# Altium PCB PCB1.PcbDoc (part 1 of 15)
Units mil, origin at the board's own origin, x right, y up, seen from the top; angles counter-clockwise.
Board outline 9210.27 x 4350.4 mil, 4 copper layers (Top Layer, Layer 1, Layer 2, Bottom Layer), stack 23.756 mil thick; 1550 components, 1731 nets, 5200 pads, 1882 vias.
Unrouted connection lines stored in the file: 605.
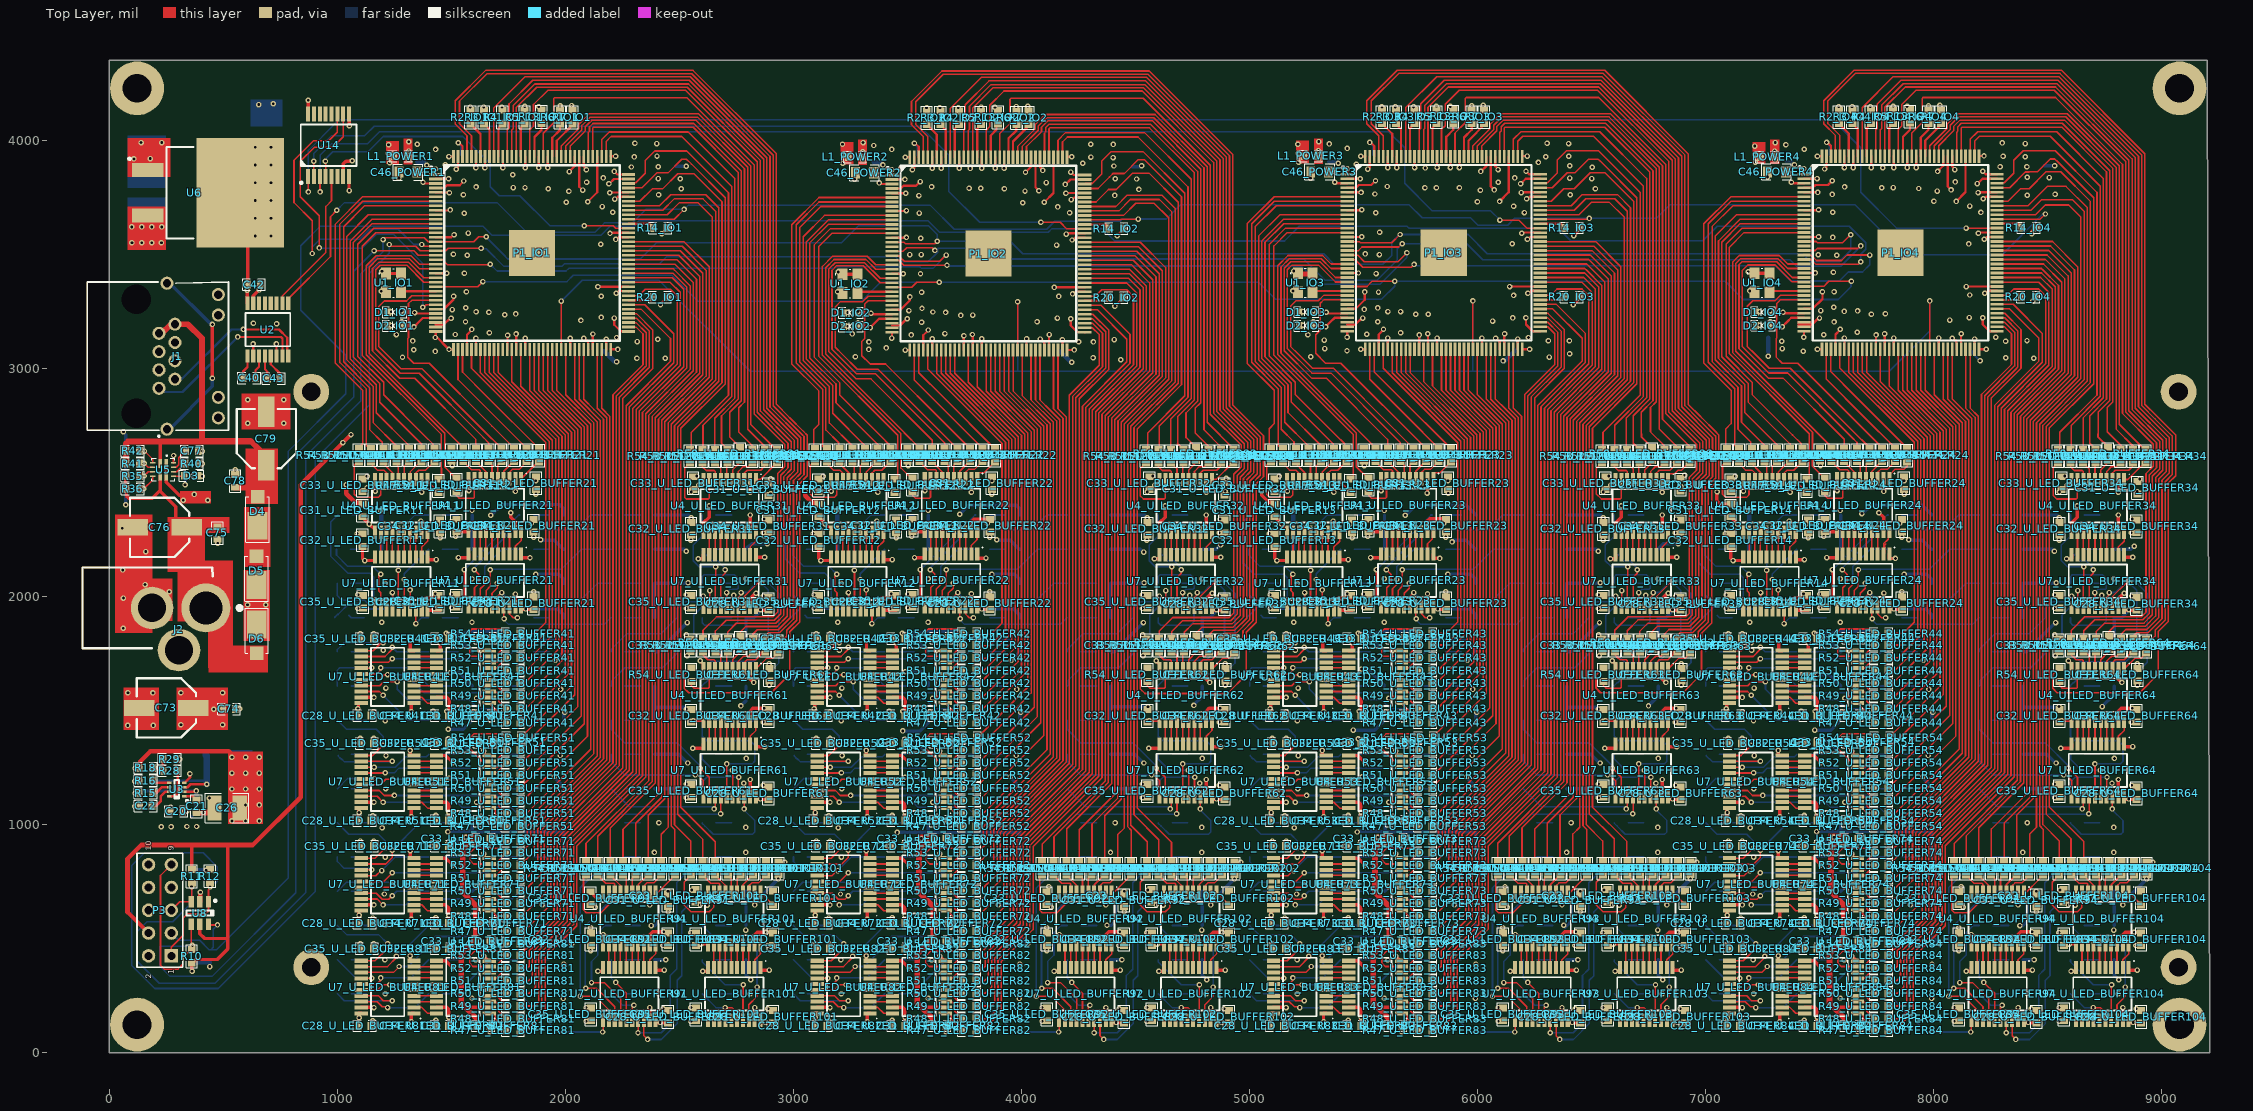
[diagram p0: Top Layer view]
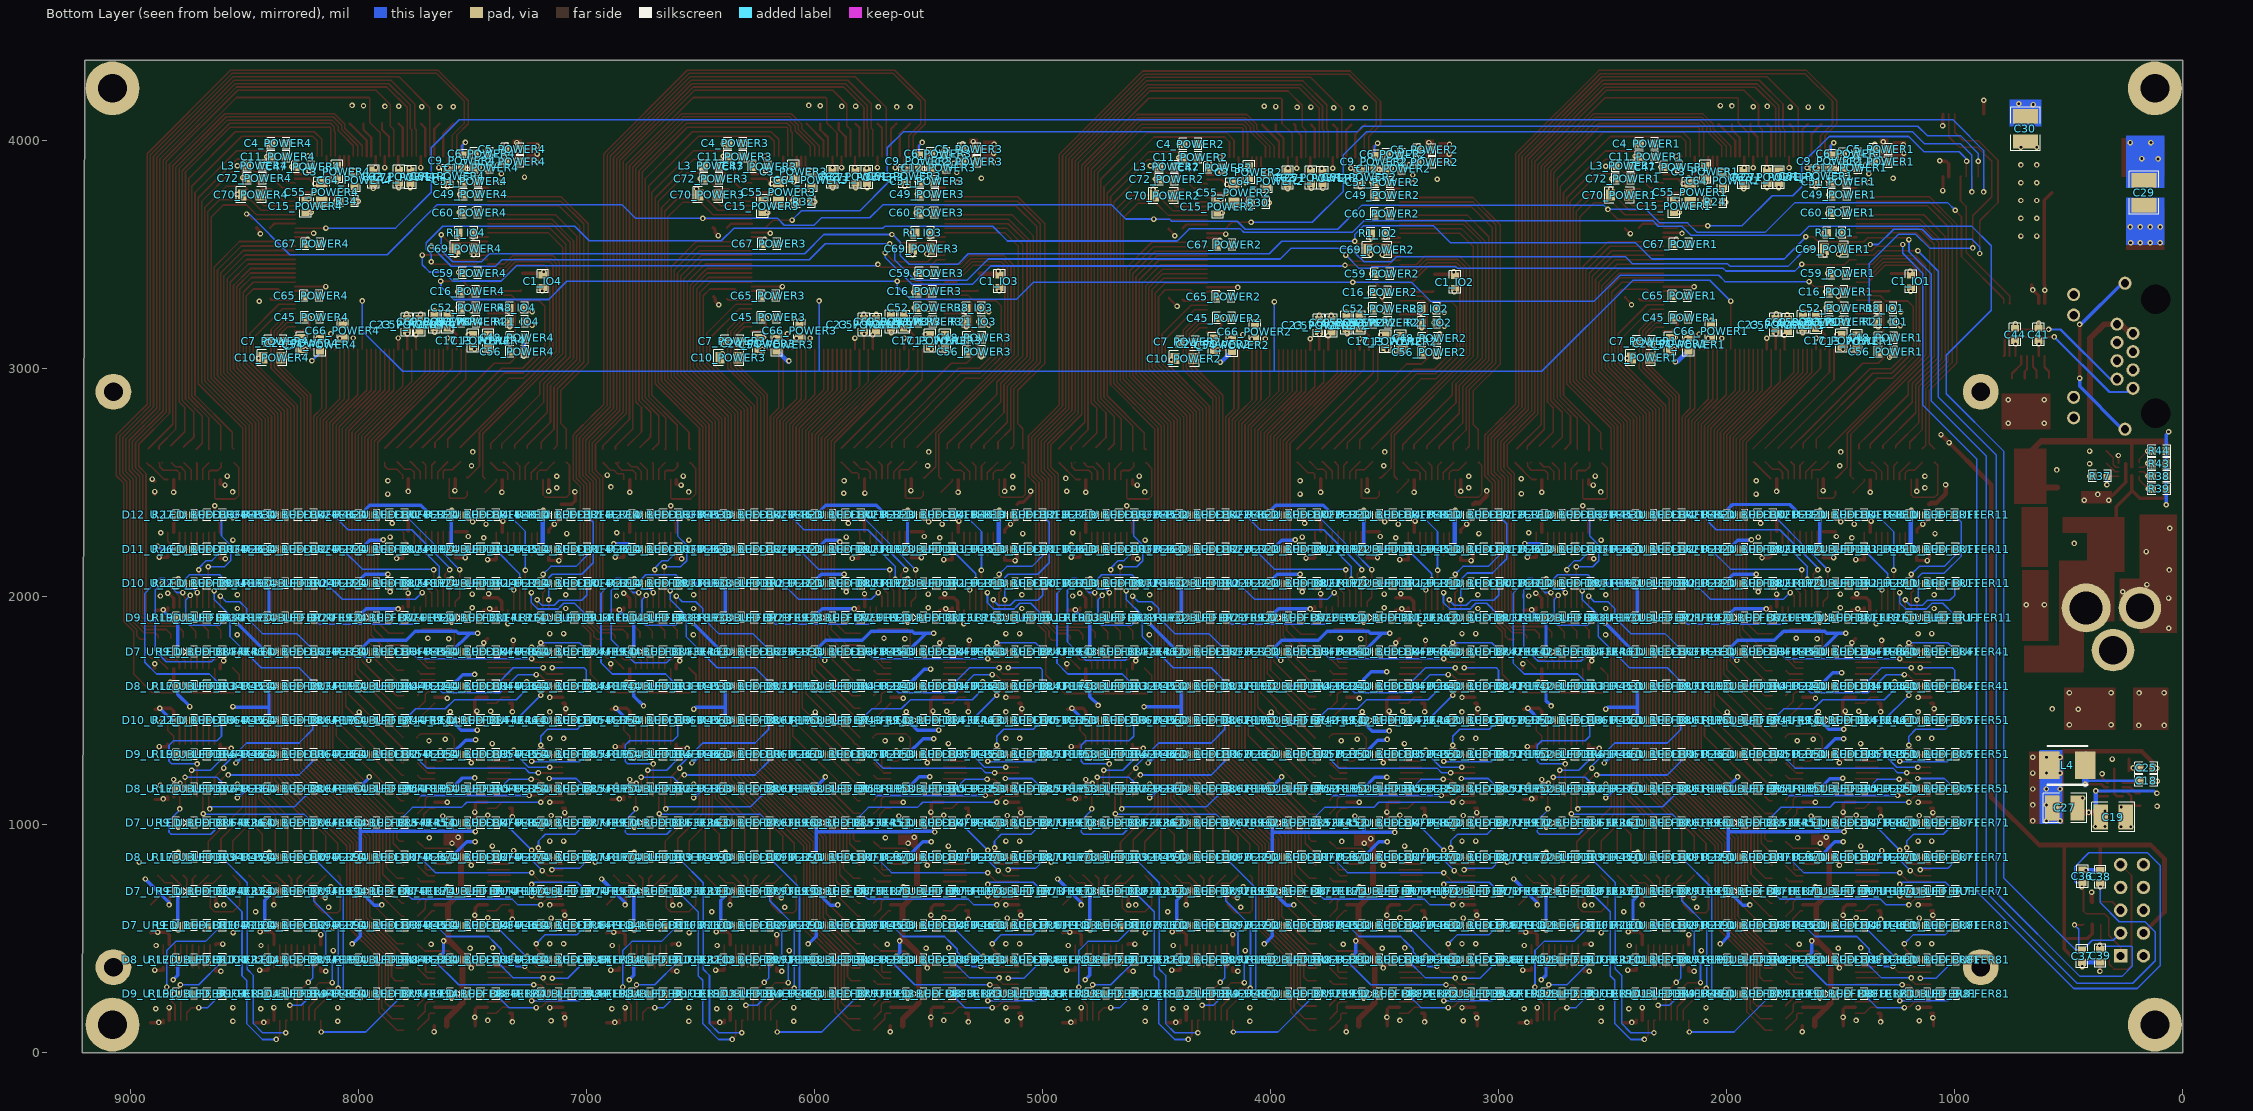
[diagram p1: Bottom Layer view, seen from below]
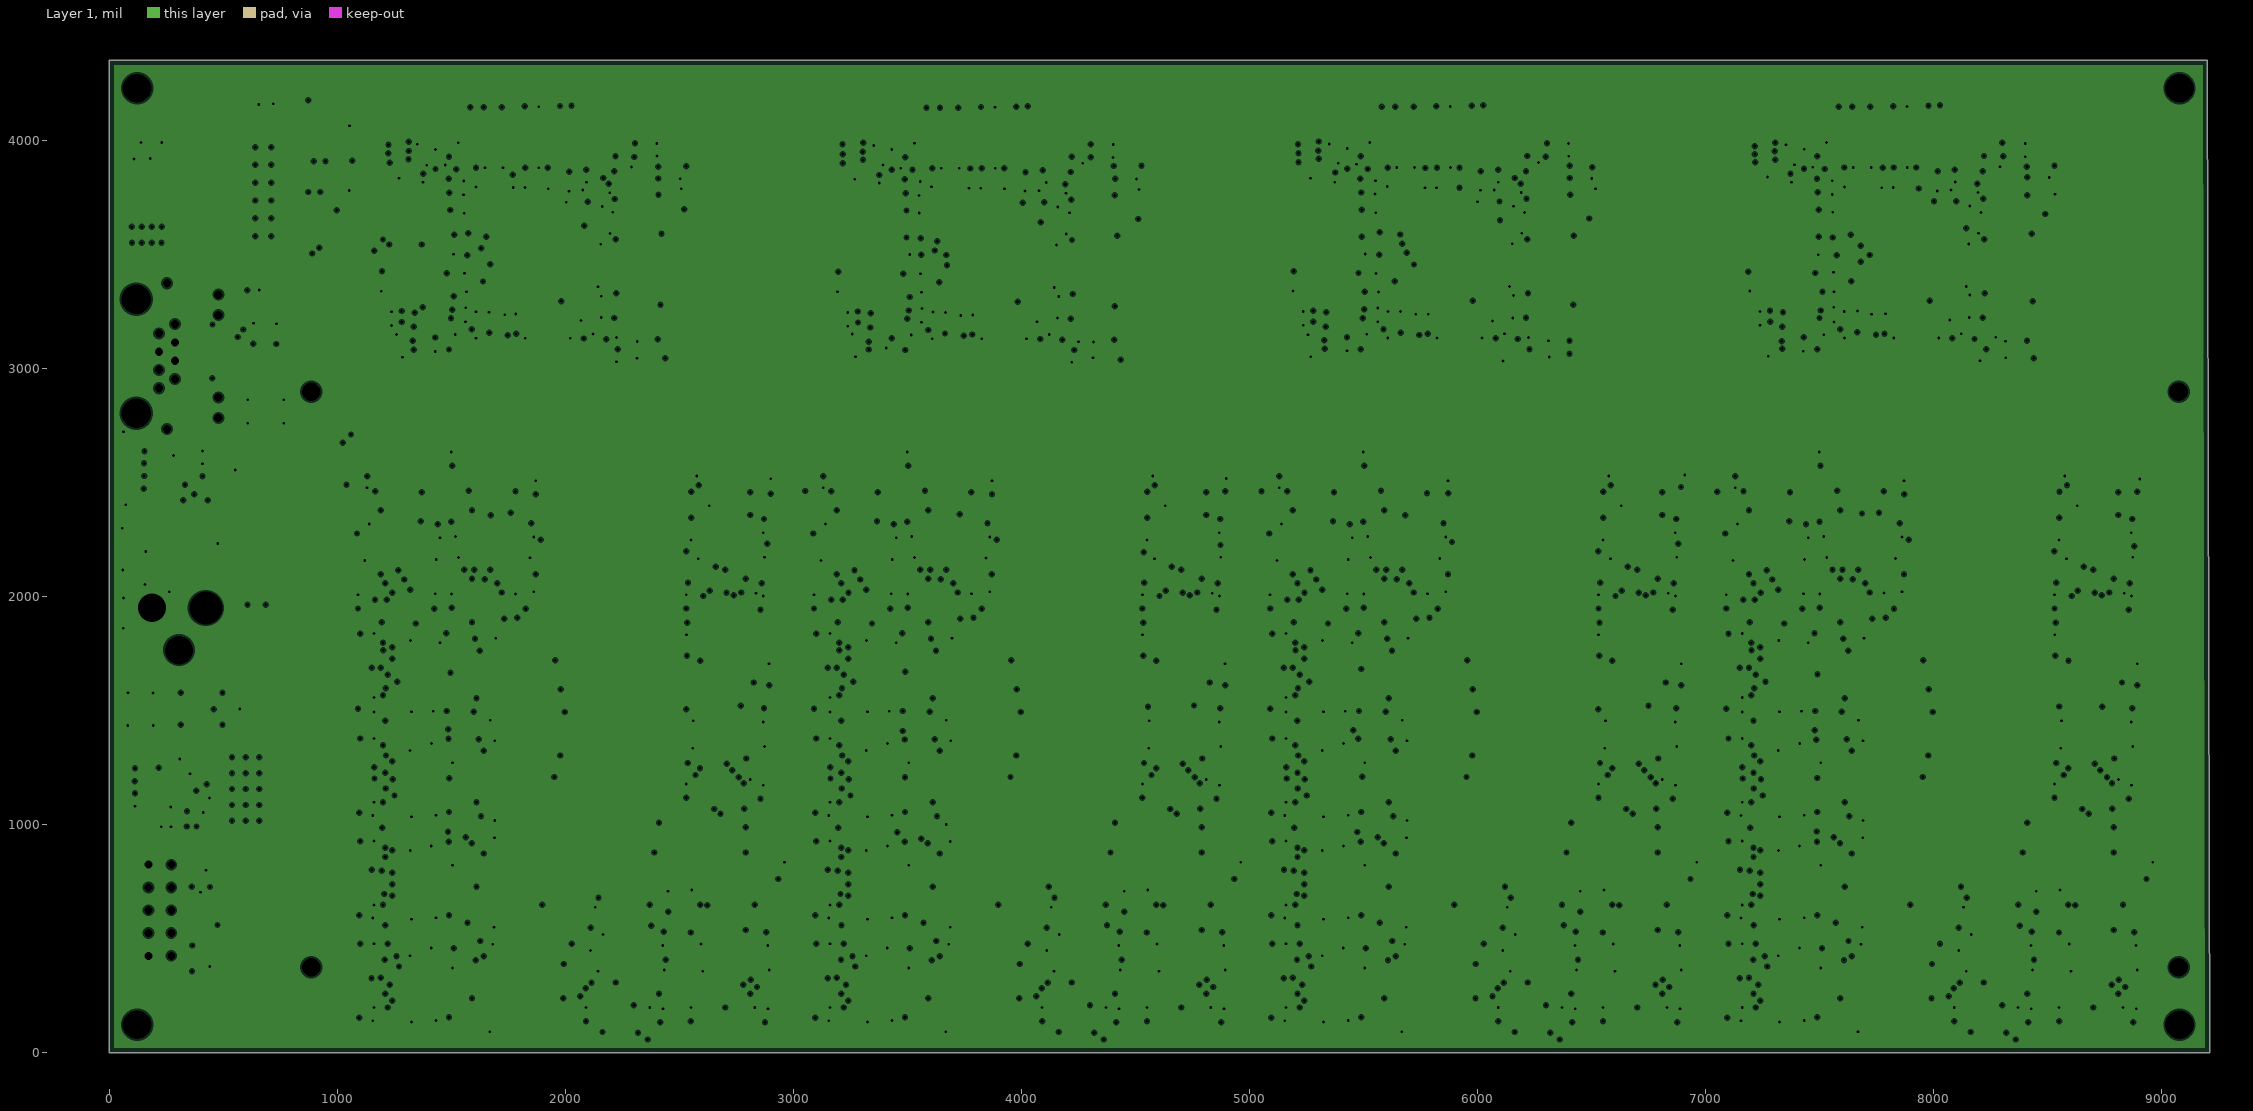
[diagram p2: Layer 1, clearances drawn from the general rule]
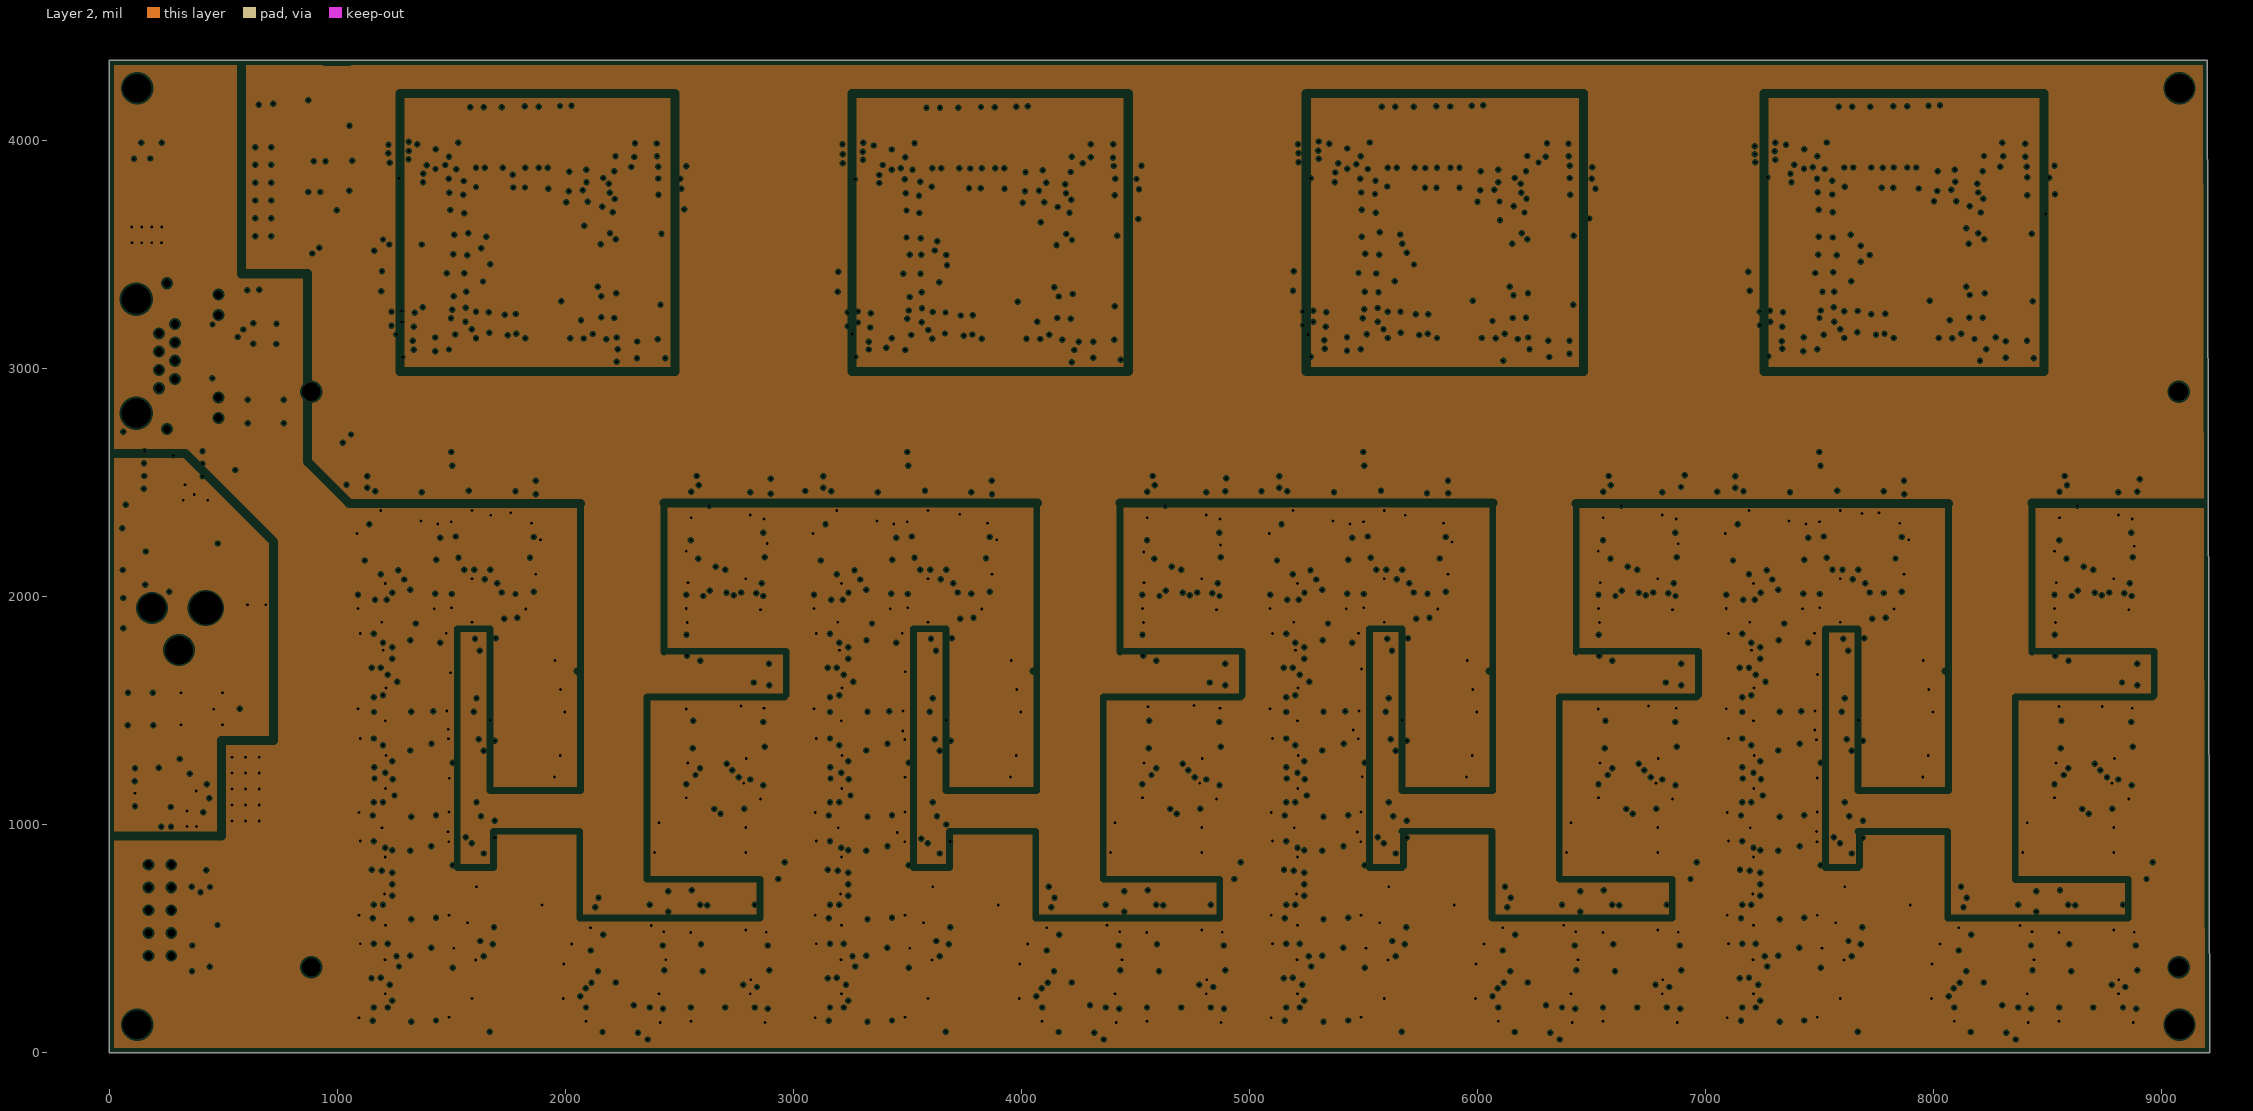
[diagram p3: Layer 2, clearances drawn from the general rule]

## Layer stack, top to bottom
Top Solder: solder mask 0.4, Solder Resist, Dk 3.5
Top Layer: signal copper 1.4
Dielectric 2: prepreg 2.8, PP-006, Dk 4.1
Layer 1: plane copper 1.378, net VCC_3V3
Dielectric 1: dielectric 12.6, FR-4, Dk 4.8
Layer 2: plane copper 1.378, net (Multiple Nets)
Dielectric 3: prepreg 2.8, PP-006, Dk 4.1
Bottom Layer: signal copper 1.4
Bottom Solder: solder mask 0.4, Solder Resist, Dk 3.5

## Board outline
0,0 9210.27,0 9200.75,4350.39 0,4350.39

## Design rules (kind name [scope] priority, off if disabled: settings)
Clearance [All] p1: gap=7 ignorepadtopadclearanceinfootprint=TRUE
ComponentClearance [All] p1: gap=0 collisioncheckmode=3 verticalgap=0 showdistances=FALSE
DiffPairsRouting [All] p1: maxlimit=10 minlimit=10 mostfreqgap=10 toplayer_minwidth=15 toplayer_maxwidth=15 toplayer_prefwidth=15 bottomlayer_minwidth=15 bottomlayer_maxwidth=15 bottomlayer_prefwidth=15 maxuncoupledlength=500
HoleSize [All] p1: absolutevalues=TRUE maxlimit=200 minlimit=1 maxpercent=80.000 minpercent=20.000
MinimumSolderMaskSliver [All] p1: minsoldermaskwidth=0
PlaneClearance [All] p1: clearance=8
PlaneConnect [All] p1: planeconnectstyle=Relief reliefexpansion=10 reliefentries=4 reliefconductorwidth=10 reliefairgap=10
PolygonConnect [All] p1: connectstyle=Relief reliefconductorwidth=10 reliefentries=4 polygonreliefangle="90 Angle" airgapwidth=10
RoomDefinition IO1 [InComponentClass('IO1')] p1: confinementstyle=ConfineIn formatcopy=TRUE lockcomponents=FALSE outline 1160.63,3047.17 2470.63,3047.17 2470.63,4157.17 1160.63,4157.17
RoomDefinition IO2 [InComponentClass('IO2')] p2: confinementstyle=ConfineIn formatcopy=TRUE lockcomponents=FALSE outline 3160.63,3047.17 4470.63,3047.17 4470.63,4157.17 3160.63,4157.17
RoomDefinition IO3 [InComponentClass('IO3')] p3: confinementstyle=ConfineIn formatcopy=TRUE lockcomponents=FALSE outline 5160.63,3047.17 6470.63,3047.17 6470.63,4167.17 5160.63,4167.17
RoomDefinition IO4 [InComponentClass('IO4')] p4: confinementstyle=ConfineIn formatcopy=TRUE lockcomponents=FALSE outline 7160.63,3047.17 8470.63,3047.17 8470.63,4167.17 7160.63,4167.17
RoomDefinition POWER1 [InComponentClass('POWER1')] p5: confinementstyle=ConfineIn formatcopy=TRUE lockcomponents=FALSE outline 1240.63,3007.17 2540.63,3007.17 2540.63,4017.17 1240.63,4017.17
RoomDefinition POWER2 [InComponentClass('POWER2')] p6: confinementstyle=ConfineIn formatcopy=TRUE lockcomponents=FALSE outline 3240.63,2997.17 4540.63,2997.17 4540.63,4017.17 3240.63,4017.17
RoomDefinition POWER3 [InComponentClass('POWER3')] p7: confinementstyle=ConfineIn formatcopy=TRUE lockcomponents=FALSE outline 5240.63,3007.17 6540.63,3007.17 6540.63,4017.17 5240.63,4017.17
RoomDefinition POWER4 [InComponentClass('POWER4')] p8: confinementstyle=ConfineIn formatcopy=TRUE lockcomponents=FALSE outline 7240.63,3007.17 8540.63,3007.17 8540.63,4017.17 7240.63,4017.17
RoomDefinition Power [InComponentClass('Power')] p9: confinementstyle=ConfineIn formatcopy=TRUE lockcomponents=FALSE outline -5259.37,-5232.83 -3259.37,-5232.83 -3259.37,-4232.83 -5259.37,-4232.83
RoomDefinition Power_ORing [InComponentClass('Power_ORing')] p10: confinementstyle=ConfineIn formatcopy=TRUE lockcomponents=FALSE outline -5259.37,-5232.83 -3259.37,-5232.83 -3259.37,-4232.83 -5259.37,-4232.83
RoomDefinition TOP_LED [InComponentClass('TOP_LED')] p11: confinementstyle=ConfineIn formatcopy=TRUE lockcomponents=FALSE outline -5259.37,-5232.83 -3259.37,-5232.83 -3259.37,-4232.83 -5259.37,-4232.83
RoomDefinition U_LED_BUFFER11 [InComponentClass('U_LED_BUFFER11')] p12: confinementstyle=ConfineIn formatcopy=FALSE lockcomponents=FALSE outline 960.63,1877.17 1620.63,1877.17 1620.63,2677.17 960.63,2677.17
RoomDefinition U_LED_BUFFER12 [InComponentClass('U_LED_BUFFER12')] p13: confinementstyle=ConfineIn formatcopy=FALSE lockcomponents=FALSE outline 2960.63,1877.17 3620.63,1877.17 3620.63,2677.17 2960.63,2677.17
RoomDefinition U_LED_BUFFER13 [InComponentClass('U_LED_BUFFER13')] p14: confinementstyle=ConfineIn formatcopy=FALSE lockcomponents=FALSE outline 4960.63,1877.17 5620.63,1877.17 5620.63,2677.17 4960.63,2677.17
RoomDefinition U_LED_BUFFER14 [InComponentClass('U_LED_BUFFER14')] p15: confinementstyle=ConfineIn formatcopy=FALSE lockcomponents=FALSE outline 6960.63,1877.17 7620.63,1877.17 7620.63,2677.17 6960.63,2677.17
RoomDefinition U_LED_BUFFER21 [InComponentClass('U_LED_BUFFER21')] p16: confinementstyle=ConfineIn formatcopy=FALSE lockcomponents=FALSE outline 1470.63,1877.17 2420.63,1877.17 2420.63,2677.17 1470.63,2677.17
RoomDefinition U_LED_BUFFER22 [InComponentClass('U_LED_BUFFER22')] p17: confinementstyle=ConfineIn formatcopy=FALSE lockcomponents=FALSE outline 3470.63,1877.17 4420.63,1877.17 4420.63,2677.17 3470.63,2677.17
RoomDefinition U_LED_BUFFER23 [InComponentClass('U_LED_BUFFER23')] p18: confinementstyle=ConfineIn formatcopy=FALSE lockcomponents=FALSE outline 5470.63,1877.17 6420.63,1877.17 6420.63,2677.17 5470.63,2677.17
RoomDefinition U_LED_BUFFER24 [InComponentClass('U_LED_BUFFER24')] p19: confinementstyle=ConfineIn formatcopy=FALSE lockcomponents=FALSE outline 7470.63,1877.17 8420.63,1877.17 8420.63,2677.17 7470.63,2677.17
RoomDefinition U_LED_BUFFER31 [InComponentClass('U_LED_BUFFER31')] p20: confinementstyle=ConfineIn formatcopy=FALSE lockcomponents=FALSE outline 2170.63,1577.17 2960.63,1577.17 2960.63,2687.17 2170.63,2687.17
RoomDefinition U_LED_BUFFER32 [InComponentClass('U_LED_BUFFER32')] p21: confinementstyle=ConfineIn formatcopy=FALSE lockcomponents=FALSE outline 4170.63,1577.17 4960.63,1577.17 4960.63,2687.17 4170.63,2687.17
RoomDefinition U_LED_BUFFER33 [InComponentClass('U_LED_BUFFER33')] p22: confinementstyle=ConfineIn formatcopy=FALSE lockcomponents=FALSE outline 6170.63,1577.17 6960.63,1577.17 6960.63,2687.17 6170.63,2687.17
RoomDefinition U_LED_BUFFER34 [InComponentClass('U_LED_BUFFER34')] p23: confinementstyle=ConfineIn formatcopy=FALSE lockcomponents=FALSE outline 8170.63,1577.17 8960.63,1577.17 8960.63,2687.17 8170.63,2687.17
RoomDefinition U_LED_BUFFER41 [InComponentClass('U_LED_BUFFER41')] p24: confinementstyle=ConfineIn formatcopy=FALSE lockcomponents=FALSE outline 970.63,1417.17 2020.63,1417.17 2020.63,1867.17 970.63,1867.17
RoomDefinition U_LED_BUFFER42 [InComponentClass('U_LED_BUFFER42')] p25: confinementstyle=ConfineIn formatcopy=FALSE lockcomponents=FALSE outline 2970.63,1417.17 4020.63,1417.17 4020.63,1867.17 2970.63,1867.17
RoomDefinition U_LED_BUFFER43 [InComponentClass('U_LED_BUFFER43')] p26: confinementstyle=ConfineIn formatcopy=FALSE lockcomponents=FALSE outline 4970.63,1417.17 6020.63,1417.17 6020.63,1867.17 4970.63,1867.17
RoomDefinition U_LED_BUFFER44 [InComponentClass('U_LED_BUFFER44')] p27: confinementstyle=ConfineIn formatcopy=FALSE lockcomponents=FALSE outline 6970.63,1417.17 8020.63,1417.17 8020.63,1867.17 6970.63,1867.17
RoomDefinition U_LED_BUFFER51 [InComponentClass('U_LED_BUFFER51')] p28: confinementstyle=ConfineIn formatcopy=FALSE lockcomponents=FALSE outline 970.63,957.17 2020.63,957.17 2020.63,1487.17 970.63,1487.17
RoomDefinition U_LED_BUFFER52 [InComponentClass('U_LED_BUFFER52')] p29: confinementstyle=ConfineIn formatcopy=FALSE lockcomponents=FALSE outline 2970.63,957.17 4020.63,957.17 4020.63,1487.17 2970.63,1487.17
RoomDefinition U_LED_BUFFER53 [InComponentClass('U_LED_BUFFER53')] p30: confinementstyle=ConfineIn formatcopy=FALSE lockcomponents=FALSE outline 4970.63,957.17 6020.63,957.17 6020.63,1487.17 4970.63,1487.17
RoomDefinition U_LED_BUFFER54 [InComponentClass('U_LED_BUFFER54')] p31: confinementstyle=ConfineIn formatcopy=FALSE lockcomponents=FALSE outline 6970.63,957.17 8020.63,957.17 8020.63,1487.17 6970.63,1487.17
RoomDefinition U_LED_BUFFER61 [InComponentClass('U_LED_BUFFER61')] p32: confinementstyle=ConfineIn formatcopy=FALSE lockcomponents=FALSE outline 2170.63,977.17 2960.63,977.17 2960.63,1857.17 2170.63,1857.17
RoomDefinition U_LED_BUFFER62 [InComponentClass('U_LED_BUFFER62')] p33: confinementstyle=ConfineIn formatcopy=FALSE lockcomponents=FALSE outline 4170.63,977.17 4960.63,977.17 4960.63,1857.17 4170.63,1857.17
RoomDefinition U_LED_BUFFER63 [InComponentClass('U_LED_BUFFER63')] p34: confinementstyle=ConfineIn formatcopy=FALSE lockcomponents=FALSE outline 6170.63,977.17 6960.63,977.17 6960.63,1857.17 6170.63,1857.17
RoomDefinition U_LED_BUFFER71 [InComponentClass('U_LED_BUFFER71')] p35: confinementstyle=ConfineIn formatcopy=FALSE lockcomponents=FALSE outline 970.63,497.17 2020.63,497.17 2020.63,1037.17 970.63,1037.17
RoomDefinition U_LED_BUFFER72 [InComponentClass('U_LED_BUFFER72')] p36: confinementstyle=ConfineIn formatcopy=TRUE lockcomponents=FALSE outline 2970.63,497.17 4020.63,497.17 4020.63,1037.17 2970.63,1037.17
RoomDefinition U_LED_BUFFER73 [InComponentClass('U_LED_BUFFER73')] p37: confinementstyle=ConfineIn formatcopy=TRUE lockcomponents=FALSE outline 4970.63,497.17 6020.63,497.17 6020.63,1037.17 4970.63,1037.17
RoomDefinition U_LED_BUFFER74 [InComponentClass('U_LED_BUFFER74')] p38: confinementstyle=ConfineIn formatcopy=TRUE lockcomponents=FALSE outline 6970.63,497.17 8020.63,497.17 8020.63,1037.17 6970.63,1037.17
RoomDefinition U_LED_BUFFER81 [InComponentClass('U_LED_BUFFER81')] p39: confinementstyle=ConfineIn formatcopy=FALSE lockcomponents=FALSE outline 970.63,67.17 2020.63,67.17 2020.63,587.17 970.63,587.17
RoomDefinition U_LED_BUFFER82 [InComponentClass('U_LED_BUFFER82')] p40: confinementstyle=ConfineIn formatcopy=FALSE lockcomponents=FALSE outline 2970.63,67.17 4020.63,67.17 4020.63,587.17 2970.63,587.17
RoomDefinition U_LED_BUFFER83 [InComponentClass('U_LED_BUFFER83')] p41: confinementstyle=ConfineIn formatcopy=FALSE lockcomponents=FALSE outline 4970.63,67.17 6020.63,67.17 6020.63,587.17 4970.63,587.17
RoomDefinition U_LED_BUFFER84 [InComponentClass('U_LED_BUFFER84')] p42: confinementstyle=ConfineIn formatcopy=FALSE lockcomponents=FALSE outline 6970.63,67.17 8020.63,67.17 8020.63,587.17 6970.63,587.17
RoomDefinition U_LED_BUFFER91 [InComponentClass('U_LED_BUFFER91')] p43: confinementstyle=ConfineIn formatcopy=FALSE lockcomponents=FALSE outline 1770.63,97.17 2820.63,97.17 2820.63,887.17 1770.63,887.17
RoomDefinition U_LED_BUFFER92 [InComponentClass('U_LED_BUFFER92')] p44: confinementstyle=ConfineIn formatcopy=FALSE lockcomponents=FALSE outline 3770.63,97.17 4820.63,97.17 4820.63,887.17 3770.63,887.17
RoomDefinition U_LED_BUFFER93 [InComponentClass('U_LED_BUFFER93')] p45: confinementstyle=ConfineIn formatcopy=FALSE lockcomponents=FALSE outline 5770.63,97.17 6820.63,97.17 6820.63,887.17 5770.63,887.17
RoomDefinition U_LED_BUFFER94 [InComponentClass('U_LED_BUFFER94')] p46: confinementstyle=ConfineIn formatcopy=FALSE lockcomponents=FALSE outline 7770.63,97.17 8820.63,97.17 8820.63,887.17 7770.63,887.17
RoomDefinition U_LED_BUFFER101 [InComponentClass('U_LED_BUFFER101')] p47: confinementstyle=ConfineIn formatcopy=FALSE lockcomponents=FALSE outline 2520.63,97.17 2970.63,97.17 2970.63,867.17 2520.63,867.17
RoomDefinition U_LED_BUFFER102 [InComponentClass('U_LED_BUFFER102')] p48: confinementstyle=ConfineIn formatcopy=FALSE lockcomponents=FALSE outline 4520.63,97.17 4970.63,97.17 4970.63,867.17 4520.63,867.17
RoomDefinition U_LED_BUFFER103 [InComponentClass('U_LED_BUFFER103')] p49: confinementstyle=ConfineIn formatcopy=FALSE lockcomponents=FALSE outline 6520.63,97.17 6970.63,97.17 6970.63,867.17 6520.63,867.17
RoomDefinition U_LED_BUFFER104 [InComponentClass('U_LED_BUFFER104')] p50: confinementstyle=ConfineIn formatcopy=FALSE lockcomponents=FALSE outline 8520.63,97.17 8970.63,97.17 8970.63,867.17 8520.63,867.17
RoomDefinition U_LED_BUFFER64 [InComponentClass('U_LED_BUFFER64')] p51: confinementstyle=ConfineIn formatcopy=FALSE lockcomponents=FALSE outline 8170.63,977.17 8960.63,977.17 8960.63,1857.17 8170.63,1857.17
RoutingVias [All] p1: holewidth=12 width=24 viastyle="Through Hole" minholewidth=12 minwidth=24 maxholewidth=28 maxwidth=50
SilkToSilkClearance [All] p1: silktosilkclearance=0
SilkToSolderMaskClearance [IsPad] p1: minsilkscreentomaskgap=0 clearancetoexposedcopper=TRUE
SolderMaskExpansion [All] p1: expansion=4 istentingtop=FALSE
Width [All] p1: maxlimit=50 minlimit=7 preferedwidth=7 minimp=50.000000 maximp=50.000000 favimp=50.000000
22 further rules are at their usual default settings.

## Classes and differential pairs
component class U_WIFI: C45 U11
component class U_SDCARD_FLASH: J3 U4
component class U_RTC: C13 C14 C15 C16 J2 X1
component class U_LCD: C46 C47 C48 LCD1
component class U_FTDI: C1 C2 C3 C4 C7 C8 C9 C11 D1 D2 J1 L1 L2 R5 R6 R7 R8 R10 U1
component class BOARD_CONNECTOR: R35 R36 R37 R38 R39 R40 R41 R42
component class U_POWER: C18 C19 C20 C21 C22 C25 C26 C27 L4 R15 R16 R18 R28 R29 U3
component class U_STM32: C29 C36 C37 C38 C39 C40 C41 C42 D3 D4 U5 U6 U8
differential pair USBDP: +USBDP_P -USBDP_N
